# KiCad board Kebu.kicad_pcb
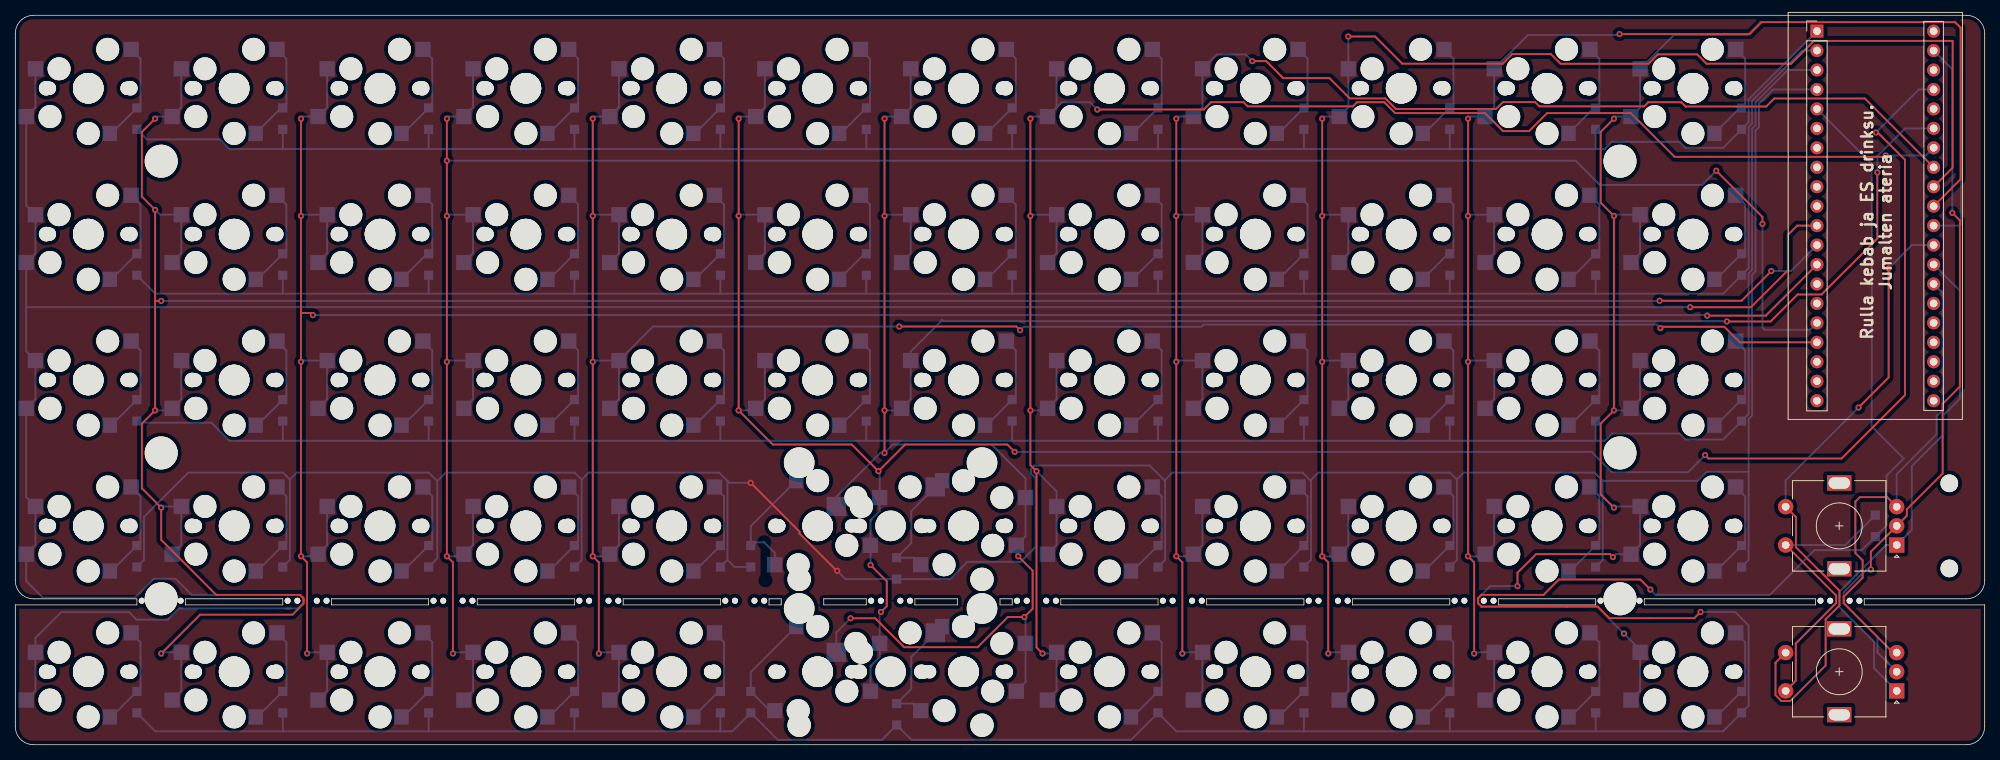
[diagram p0: board, top side]
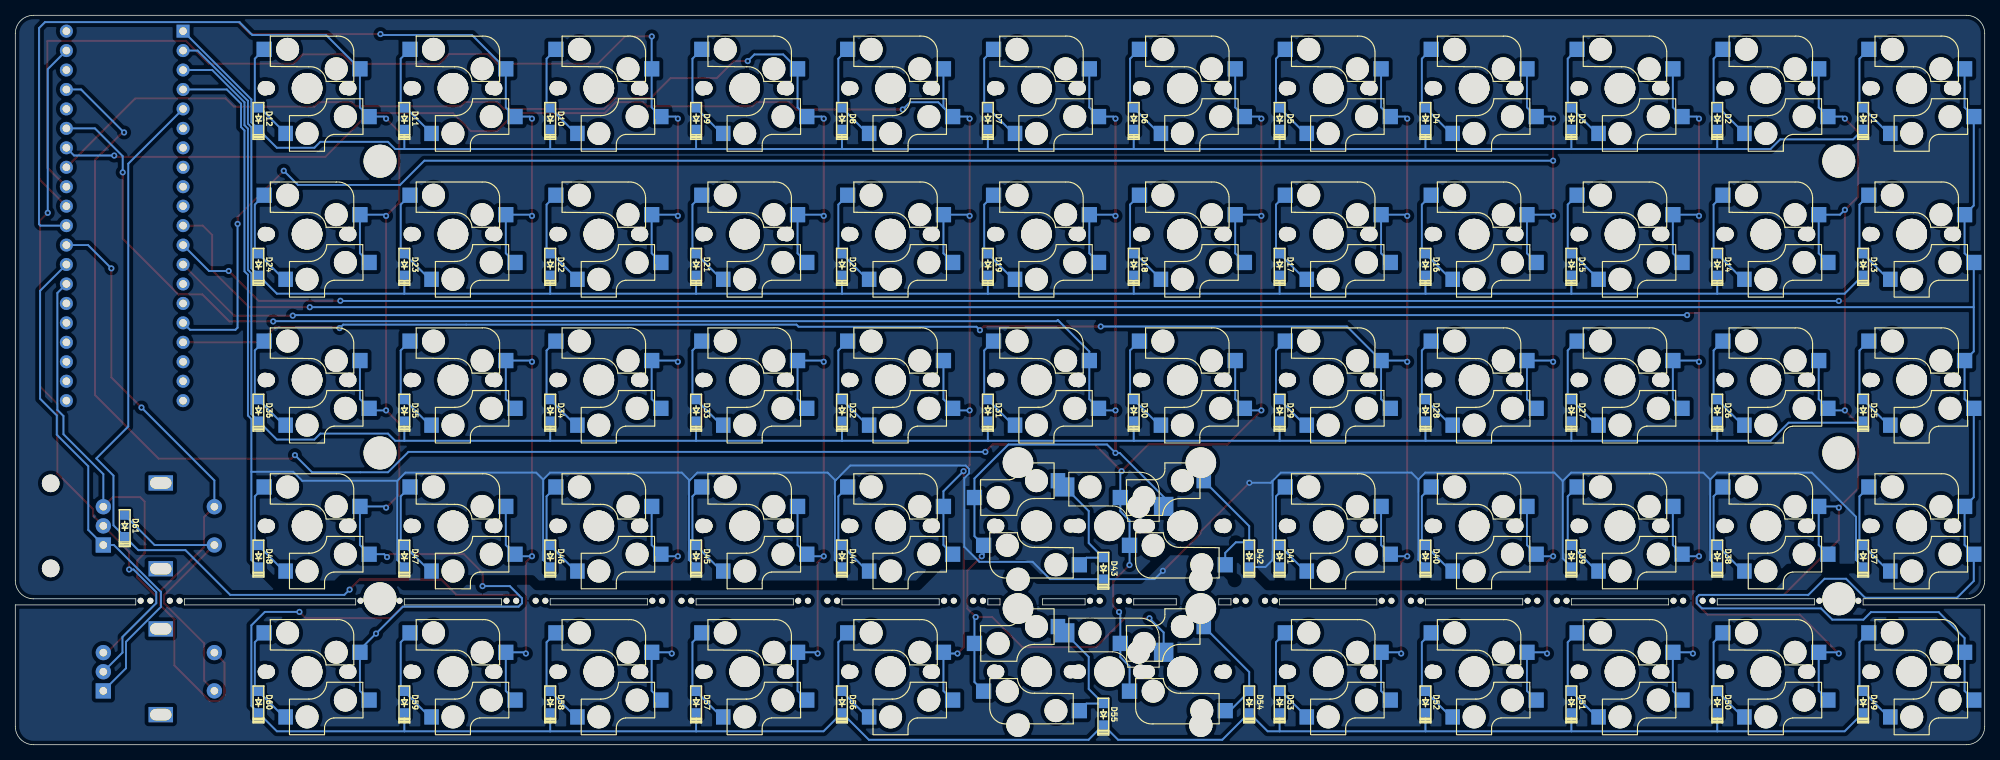
[diagram p1: board, bottom side, seen from below]

Outline 257.17 x 95.25 mm; copper layers: Top, Bottom. Coordinates in mm from the lower left corner of the outline.
Outline path: 0,92.87 arc(0.7,94.55) 2.38,95.25 254.79,95.25 arc(256.48,94.55) 257.17,92.87 257.17,21.43 arc(256.48,19.75) 254.79,19.05 241.44,19.05 241.44,18.26 257.17,18.26 257.17,2.38 arc(256.48,0.7) 254.79,0 2.38,0 arc(0.7,0.7) 0,2.38 0,18.26 15.88,18.26 15.88,19.05 2.38,19.05 arc(0.7,19.75) 0,21.43 0,92.87 ; 22.22,19.05 22.22,18.26 34.92,18.26 34.92,19.05 22.22,19.05 ; 41.27,19.05 41.27,18.26 53.97,18.26 53.97,19.05 41.27,19.05 ; 60.32,19.05 60.32,18.26 73.03,18.26 73.03,19.05 60.32,19.05 ; 79.38,19.05 79.38,18.26 92.07,18.26 92.07,19.05 79.38,19.05 ; 98.42,19.05 98.42,18.26 100.01,18.26 100.01,19.05 98.42,19.05 ; 105.57,18.26 105.57,19.05 111.12,19.05 111.12,18.26 105.57,18.26 ; 117.47,19.05 117.47,18.26 123.03,18.26 123.03,19.05 117.47,19.05 ; 128.59,18.26 128.59,19.05 130.17,19.05 130.17,18.26 128.59,18.26 ; 136.53,19.05 136.53,18.26 149.22,18.26 149.22,19.05 136.53,19.05 ; 155.57,19.05 155.57,18.26 168.28,18.26 168.28,19.05 155.57,19.05 ; 174.62,19.05 174.62,18.26 187.33,18.26 187.33,19.05 174.62,19.05 ; 193.67,19.05 193.67,18.26 206.37,18.26 206.37,19.05 193.67,19.05 ; 212.72,19.05 212.72,18.26 235.09,18.26 235.09,19.05 212.72,19.05

## Placement (name value [footprint] x y rotation side)
D1  D  [D_SOD123F]  15.88 81.76 90 bottom
D2  D  [D_SOD123F]  34.92 81.76 90 bottom
D3  D  [D_SOD123F]  53.97 81.76 90 bottom
D4  D  [D_SOD123F]  73.03 81.76 90 bottom
D5  D  [D_SOD123F]  92.07 81.76 90 bottom
D6  D  [D_SOD123F]  111.12 81.76 90 bottom
D7  D  [D_SOD123F]  130.17 81.76 90 bottom
D8  D  [D_SOD123F]  149.22 81.76 90 bottom
D9  D  [D_SOD123F]  168.28 81.76 90 bottom
D10  D  [D_SOD123F]  187.33 81.76 90 bottom
D11  D  [D_SOD123F]  206.37 81.76 90 bottom
D12  D  [D_SOD123F]  225.42 81.76 90 bottom
D13  D  [D_SOD123F]  15.88 62.71 90 bottom
D14  D  [D_SOD123F]  34.92 62.71 90 bottom
D15  D  [D_SOD123F]  53.97 62.71 90 bottom
D16  D  [D_SOD123F]  73.03 62.71 90 bottom
D17  D  [D_SOD123F]  92.07 62.71 90 bottom
D18  D  [D_SOD123F]  111.12 62.71 90 bottom
D19  D  [D_SOD123F]  130.17 62.71 90 bottom
D20  D  [D_SOD123F]  149.22 62.71 90 bottom
D21  D  [D_SOD123F]  168.28 62.71 90 bottom
D22  D  [D_SOD123F]  187.33 62.71 90 bottom
D23  D  [D_SOD123F]  206.37 62.71 90 bottom
D24  D  [D_SOD123F]  225.42 62.71 90 bottom
D25  D  [D_SOD123F]  15.88 43.66 90 bottom
D26  D  [D_SOD123F]  34.92 43.66 90 bottom
D27  D  [D_SOD123F]  53.97 43.66 90 bottom
D28  D  [D_SOD123F]  73.03 43.66 90 bottom
D29  D  [D_SOD123F]  92.07 43.66 90 bottom
D30  D  [D_SOD123F]  111.12 43.66 90 bottom
D31  D  [D_SOD123F]  130.17 43.66 90 bottom
D32  D  [D_SOD123F]  149.22 43.66 90 bottom
D33  D  [D_SOD123F]  168.28 43.66 90 bottom
D34  D  [D_SOD123F]  187.33 43.66 90 bottom
D35  D  [D_SOD123F]  206.37 43.66 90 bottom
D36  D  [D_SOD123F]  225.42 43.66 90 bottom
D37  D  [D_SOD123F]  15.88 24.61 90 bottom
D38  D  [D_SOD123F]  34.92 24.61 90 bottom
D39  D  [D_SOD123F]  53.97 24.61 90 bottom
D40  D  [D_SOD123F]  73.03 24.61 90 bottom
D41  D  [D_SOD123F]  92.07 24.61 90 bottom
D42  D  [D_SOD123F]  96.04 24.61 90 bottom
D43  D  [D_SOD123F]  115.09 23.02 90 bottom
D44  D  [D_SOD123F]  149.22 24.61 90 bottom
D45  D  [D_SOD123F]  168.28 24.61 90 bottom
D46  D  [D_SOD123F]  187.33 24.61 90 bottom
D47  D  [D_SOD123F]  206.37 24.61 90 bottom
D48  D  [D_SOD123F]  225.42 24.61 90 bottom
D49  D  [D_SOD123F]  15.88 5.56 90 bottom
D50  D  [D_SOD123F]  34.92 5.56 90 bottom
D51  D  [D_SOD123F]  53.97 5.56 90 bottom
D52  D  [D_SOD123F]  73.03 5.56 90 bottom
D53  D  [D_SOD123F]  92.07 5.56 90 bottom
D54  D  [D_SOD123F]  96.04 5.56 90 bottom
D55  D  [D_SOD123F]  115.09 3.97 90 bottom
D56  D  [D_SOD123F]  149.22 5.56 90 bottom
D57  D  [D_SOD123F]  168.28 5.56 90 bottom
D58  D  [D_SOD123F]  187.33 5.56 90 bottom
D59  D  [D_SOD123F]  206.37 5.56 90 bottom
D60  D  [D_SOD123F]  225.42 5.56 90 bottom
D61  D  [D_SOD123F]  242.89 28.57 90 bottom
NOREF  -  [unnamed]  209.55 76.2 0 top
NOREF#2  -  [unnamed]  19.05 38.1 0 top
NOREF#3  -  [unnamed]  19.05 19.05 0 top
NOREF#4  -  [unnamed]  209.55 38.1 0 top
NOREF#5  -  [unnamed]  209.55 19.05 0 top
REF**  -  [breakaway-mousebites]  114.3 19.05 180 top
REF**#2  -  [breakaway-mousebites]  95.25 19.05 180 top
REF**#3  -  [breakaway-mousebites]  38.1 19.05 180 top
REF**#4  -  [breakaway-mousebites]  209.55 19.05 180 top
REF**#5  -  [breakaway-mousebites]  152.4 19.05 180 top
REF**#6  -  [breakaway-mousebites]  133.35 19.05 180 top
REF**#7  -  [breakaway-mousebites]  19.05 19.05 180 top
REF**#8  -  [M2 Spacer]  19.05 76.2 0 top
REF**#9  -  [breakaway-mousebites]  171.45 19.05 180 top
REF**#10  -  [M2 Screw]  252.56 23.02 0 top
REF**#11  -  [breakaway-mousebites]  190.5 19.05 180 top
REF**#12  -  [M2 Screw]  252.56 34.13 0 top
REF**#13  -  [breakaway-mousebites]  57.15 19.05 180 top
REF**#14  -  [breakaway-mousebites]  76.2 19.05 180 top
REF**#15  -  [breakaway-mousebites]  238.27 19.05 180 top
SW1  SW_PUSH  [MXOnly-1U]  9.52 85.72 0 top
SW2  SW_PUSH  [MXOnly-1U]  28.57 85.72 0 top
SW3  SW_PUSH  [MXOnly-1U]  47.62 85.72 0 top
SW4  SW_PUSH  [MXOnly-1U]  66.67 85.72 0 top
SW5  SW_PUSH  [MXOnly-1U]  85.72 85.72 0 top
SW6  SW_PUSH  [MXOnly-1U]  104.78 85.72 0 top
SW7  SW_PUSH  [MXOnly-1U]  123.82 85.72 0 top
SW8  SW_PUSH  [MXOnly-1U]  142.88 85.72 0 top
SW9  SW_PUSH  [MXOnly-1U]  161.92 85.72 0 top
SW10  SW_PUSH  [MXOnly-1U]  180.97 85.72 0 top
SW11  SW_PUSH  [MXOnly-1U]  200.03 85.72 0 top
SW12  SW_PUSH  [MXOnly-1U]  219.08 85.72 0 top
SW13  SW_PUSH  [MXOnly-1U]  9.52 66.67 0 top
SW14  SW_PUSH  [MXOnly-1U]  28.57 66.67 0 top
SW15  SW_PUSH  [MXOnly-1U]  47.62 66.67 0 top
SW16  SW_PUSH  [MXOnly-1U]  66.67 66.67 0 top
SW17  SW_PUSH  [MXOnly-1U]  85.72 66.67 0 top
SW18  SW_PUSH  [MXOnly-1U]  104.78 66.67 0 top
SW19  SW_PUSH  [MXOnly-1U]  123.82 66.67 0 top
SW20  SW_PUSH  [MXOnly-1U]  142.88 66.67 0 top
SW21  SW_PUSH  [MXOnly-1U]  161.92 66.67 0 top
SW22  SW_PUSH  [MXOnly-1U]  180.97 66.67 0 top
SW23  SW_PUSH  [MXOnly-1U]  200.03 66.67 0 top
SW24  SW_PUSH  [MXOnly-1U]  219.08 66.67 0 top
SW25  SW_PUSH  [MXOnly-1U]  9.52 47.62 0 top
SW26  SW_PUSH  [MXOnly-1U]  28.57 47.62 0 top
SW27  SW_PUSH  [MXOnly-1U]  47.62 47.62 0 top
SW28  SW_PUSH  [MXOnly-1U]  66.67 47.62 0 top
SW29  SW_PUSH  [MXOnly-1U]  85.72 47.62 0 top
SW30  SW_PUSH  [MXOnly-1U]  104.78 47.62 0 top
SW31  SW_PUSH  [MXOnly-1U]  123.82 47.62 0 top
SW32  SW_PUSH  [MXOnly-1U]  142.88 47.62 0 top
SW33  SW_PUSH  [MXOnly-1U]  161.92 47.62 0 top
SW34  SW_PUSH  [MXOnly-1U]  180.97 47.62 0 top
SW35  SW_PUSH  [MXOnly-1U]  200.03 47.62 0 top
SW36  SW_PUSH  [MXOnly-1U]  219.08 47.62 0 top
SW37  SW_PUSH  [MXOnly-1U]  9.52 28.57 0 top
SW38  SW_PUSH  [MXOnly-1U]  28.57 28.57 0 top
SW39  SW_PUSH  [MXOnly-1U]  47.62 28.57 0 top
SW40  SW_PUSH  [MXOnly-1U]  66.67 28.57 0 top
SW41  SW_PUSH  [MXOnly-1U]  85.72 28.57 0 top
SW42  SW_PUSH  [MXOnly-1U]  104.78 28.57 180 top
SW44  SW_PUSH  [MXOnly-1U]  142.88 28.57 0 top
SW45  SW_PUSH  [MXOnly-1U]  161.92 28.57 0 top
SW46  SW_PUSH  [MXOnly-1U]  180.97 28.57 0 top
SW47  SW_PUSH  [MXOnly-1U]  200.03 28.57 0 top
SW48  SW_PUSH  [MXOnly-1U]  219.08 28.57 0 top
SW49  SW_PUSH  [MXOnly-1U]  9.52 9.53 0 top
SW50  SW_PUSH  [MXOnly-1U]  28.57 9.53 0 top
SW51  SW_PUSH  [MXOnly-1U]  47.62 9.53 0 top
SW52  SW_PUSH  [MXOnly-1U]  66.67 9.53 0 top
SW53  SW_PUSH  [MXOnly-1U]  85.72 9.53 0 top
SW54  SW_PUSH  [MXOnly-1U]  104.78 9.53 180 top
SW56  SW_PUSH  [MXOnly-1U]  142.88 9.53 0 top
SW57  SW_PUSH  [MXOnly-1U]  161.92 9.53 0 top
SW58  SW_PUSH  [MXOnly-1U]  180.97 9.53 0 top
SW59  SW_PUSH  [MXOnly-1U]  200.03 9.53 0 top
SW60  SW_PUSH  [MXOnly-1U]  219.08 9.53 0 top
SWA43  SW_PUSH  [MXOnly-1U]  123.82 28.57 180 top
SWA55  SW_PUSH  [MXOnly-1U]  123.82 9.53 180 top
SWA61  Rotary_Encoder_Switch  [RotaryEncoder_EC11]  238.18 28.57 180 top
SWB43  SW_PUSH  [MXOnly-2U-Hotswap-ReversedStabilizers]  114.3 28.57 0 top
SWB55  SW_PUSH  [MXOnly-2U-Hotswap-ReversedStabilizers]  114.3 9.53 0 top
SWB61  Rotary_Encoder_Switch  [RotaryEncoder_EC11]  238.18 9.53 180 top
U1  YAAJ_WeAct_BlackPill_Part_Like  [YAAJ_WeAct_BlackPill_2]  235.27 93.19 0 top

## Footprints (pads in the part's own frame, mm; a bottom-side part is the same pattern mirrored in y, then rotated)
breakaway-mousebites
  round 0.787 hole 0.787 unplated: (-2.54,0.254) (-1.27,0.254) (1.27,0.254) (2.54,0.254)
D_SOD123F
  rect 1.2x1.2 smd: 1(-1.4,0) 2(1.4,0)
M2 Screw
  round 2.3 hole 2.3 unplated: (0,0)
M2 Spacer
  round 4.3 hole 4.3 unplated: (0,0)
MXOnly-1U
  round 1.9 hole 1.9 unplated: (-5.5,0) (5.5,0)
  round 1.7 hole 1.7 unplated: (-5.08,0) (5.08,0)
  round 1.75 hole 1.75 unplated: (-5.08,0) (5.08,0)
  round 3 hole 3 unplated: (-5,-3.7) (-3.81,2.54) (0,-5.9) (2.54,5.08)
  round 3.988 hole 3.988 unplated: (0,0) (0,0)
  rect 2x2 smd far side: 1(-8.1,-3.7) 1(-6.9,2.54) 2(5.6,5.08)
  rect 1.9x2 smd far side: 2(2.8,-5.9)
MXOnly-2U-Hotswap-ReversedStabilizers
  round 3.988 hole 3.988 unplated: (-11.938,8.255) (0,0) (11.938,8.255)
  round 3.048 hole 3.048 unplated: (-11.938,-6.985) (11.938,-6.985)
  round 1.75 hole 1.75 unplated: (-5.08,0) (5.08,0)
  round 3 hole 3 unplated: (-3.81,2.54) (2.54,5.08)
  rect 2.55x2.5 smd far side: 1(-7.085,2.54) 2(5.842,5.08)
RotaryEncoder_EC11
  rect 3.2x2 hole 2.8x1.5 unplated: (0,5.6) (0,-5.6)
  rect 2x2 hole 1: A(-7.5,2.5)
  round 2 hole 1: B(-7.5,-2.5) C(-7.5,0) S1(7,-2.5) S2(7,2.5)
unnamed
  round 4.3 hole 4.3 unplated: (0,0)
YAAJ_WeAct_BlackPill_2
  rect 1.7x1.7 hole 1: 1(0,0)
  round 1.7 hole 1: 2(0,-2.54) 3(0,-5.08) 4(0,-7.62) 5(0,-10.16) 6(0,-12.7) 7(0,-15.24) 8(0,-17.78) 9(0,-20.32) 10(0,-22.86) 11(0,-25.4) 12(0,-27.94) 13(0,-30.48) 14(0,-33.02) 15(0,-35.56) 16(0,-38.1) 17(0,-40.64) 18(0,-43.18) 19(0,-45.72) 20(0,-48.26) 21(15.24,-48.26) 22(15.24,-45.72) 23(15.24,-43.18) 24(15.24,-40.64) 25(15.24,-38.1) 26(15.24,-35.56) 27(15.24,-33.02) 28(15.24,-30.48) 29(15.24,-27.94) 30(15.24,-25.4) 31(15.24,-22.86) 32(15.24,-20.32) 33(15.24,-17.78) 34(15.24,-15.24) 35(15.24,-12.7) 36(15.24,-10.16) 37(15.24,-7.62) 38(15.24,-5.08) 39(15.24,-2.54) 40(15.24,0)

## Nets
GND: SWA61.C SWB61.C U1.39
Col0: SW1.1 SW13.1 SW25.1 SW37.1 SW49.1 U1.11
Col1: SW2.1 SW14.1 SW26.1 SW38.1 SW50.1 U1.12
Col2: SW3.1 SW15.1 SW27.1 SW39.1 SW51.1 U1.13
Col3: SW4.1 SW16.1 SW28.1 SW40.1 SW52.1 U1.16
Col4: SW5.1 SW17.1 SW29.1 SW41.1 SW53.1 U1.17
Col5: SW6.1 SW18.1 SW30.1 SW42.1 SW54.1 U1.37
Col6: SW7.1 SW19.1 SW31.1 SWA43.1 SWA55.1 SWB43.1 SWB55.1 U1.35
Col7: SW8.1 SW20.1 SW32.1 SW44.1 SW56.1 U1.34
Col8: SW9.1 SW21.1 SW33.1 SW45.1 SW57.1 U1.33
Col9: SW10.1 SW22.1 SW34.1 SW46.1 SW58.1 U1.32
Col10: SW11.1 SW23.1 SW35.1 SW47.1 SW59.1 U1.31
Col11: SW12.1 SW24.1 SW36.1 SW48.1 SW60.1 U1.30
Col12: SWA61.S1 SWB61.S1 U1.29
RotA: SWA61.A SWB61.A U1.28
RotB: SWA61.B SWB61.B U1.27
Row0: D1.1 D2.1 D3.1 D4.1 D5.1 D6.1 D7.1 D8.1 D9.1 D10.1 D11.1 D12.1 U1.1
Row1: D13.1 D14.1 D15.1 D16.1 D17.1 D18.1 D19.1 D20.1 D21.1 D22.1 D23.1 D24.1 U1.2
Row2: D25.1 D26.1 D27.1 D28.1 D29.1 D30.1 D31.1 D32.1 D33.1 D34.1 D35.1 D36.1 U1.3
Row3: D37.1 D38.1 D39.1 D40.1 D41.1 D42.1 D43.1 D44.1 D45.1 D46.1 D47.1 D48.1 U1.4
Row4: D49.1 D50.1 D51.1 D52.1 D53.1 D54.1 D55.1 D56.1 D57.1 D58.1 D59.1 D60.1 D61.1 U1.5
Net-(D1-Pad2): D1.2 SW1.2
Net-(D2-Pad2): D2.2 SW2.2
Net-(D3-Pad2): D3.2 SW3.2
Net-(D4-Pad2): D4.2 SW4.2
Net-(D5-Pad2): D5.2 SW5.2
Net-(D6-Pad2): D6.2 SW6.2
Net-(D7-Pad2): D7.2 SW7.2
Net-(D8-Pad2): D8.2 SW8.2
Net-(D9-Pad2): D9.2 SW9.2
Net-(D10-Pad2): D10.2 SW10.2
Net-(D11-Pad2): D11.2 SW11.2
Net-(D12-Pad2): D12.2 SW12.2
Net-(D13-Pad2): D13.2 SW13.2
Net-(D14-Pad2): D14.2 SW14.2
Net-(D15-Pad2): D15.2 SW15.2
Net-(D16-Pad2): D16.2 SW16.2
Net-(D17-Pad2): D17.2 SW17.2
Net-(D18-Pad2): D18.2 SW18.2
Net-(D19-Pad2): D19.2 SW19.2
Net-(D20-Pad2): D20.2 SW20.2
Net-(D21-Pad2): D21.2 SW21.2
Net-(D22-Pad2): D22.2 SW22.2
Net-(D23-Pad2): D23.2 SW23.2
Net-(D24-Pad2): D24.2 SW24.2
Net-(D25-Pad2): D25.2 SW25.2
Net-(D26-Pad2): D26.2 SW26.2
Net-(D27-Pad2): D27.2 SW27.2
Net-(D28-Pad2): D28.2 SW28.2
Net-(D29-Pad2): D29.2 SW29.2
Net-(D30-Pad2): D30.2 SW30.2
Net-(D31-Pad2): D31.2 SW31.2
Net-(D32-Pad2): D32.2 SW32.2
Net-(D33-Pad2): D33.2 SW33.2
Net-(D34-Pad2): D34.2 SW34.2
Net-(D35-Pad2): D35.2 SW35.2
Net-(D36-Pad2): D36.2 SW36.2
Net-(D37-Pad2): D37.2 SW37.2
Net-(D38-Pad2): D38.2 SW38.2
Net-(D39-Pad2): D39.2 SW39.2
Net-(D40-Pad2): D40.2 SW40.2
Net-(D41-Pad2): D41.2 SW41.2
Net-(D42-Pad2): D42.2 SW42.2
Net-(D43-Pad2): D43.2 SWA43.2 SWB43.2
Net-(D44-Pad2): D44.2 SW44.2
Net-(D45-Pad2): D45.2 SW45.2
Net-(D46-Pad2): D46.2 SW46.2
Net-(D47-Pad2): D47.2 SW47.2
Net-(D48-Pad2): D48.2 SW48.2
Net-(D49-Pad2): D49.2 SW49.2
Net-(D50-Pad2): D50.2 SW50.2
Net-(D51-Pad2): D51.2 SW51.2
Net-(D52-Pad2): D52.2 SW52.2
Net-(D53-Pad2): D53.2 SW53.2
Net-(D54-Pad2): D54.2 SW54.2
Net-(D55-Pad2): D55.2 SWA55.2 SWB55.2
Net-(D56-Pad2): D56.2 SW56.2
Net-(D57-Pad2): D57.2 SW57.2
Net-(D58-Pad2): D58.2 SW58.2
Net-(D59-Pad2): D59.2 SW59.2
Net-(D60-Pad2): D60.2 SW60.2
Net-(D61-Pad2): D61.2 SWA61.S2 SWB61.S2

Pads without a net: U1 6 7 8 9 10 14 15 18 19 20 21 22 23 24 25 26 36 38 40

## Via types
v1: diameter 0.8, hole 0.4, Top to Bottom, 90 vias

## Routing (per net, layer and track width the routed paths; a pad name or vN(x,y) marks a point on that pad's centre or on a via; arc(x,y) is an arc through that point)
GND: length 92
  Top w0.25: v1(242.31,22.88) 242.31,25.21 SWA61.C 247.01,29.9 247.01,30.74 251.68,35.41 251.68,44.51 253.94,46.77 253.94,68.46 v1(252.94,69.46)
  Bottom w0.25: SWB61.C 243.18,12.03 243.18,14.07 238.77,18.48 238.77,19.92 241.73,22.88 v1(242.31,22.88) ; v1(252.94,69.46) 252.94,88.21 U1.39
Col0: length 397.5
  Top w0.25: U1.11 232.69,67.79 231.47,66.57 231.47,61.95 226.65,57.13 v1(218.72,57.13)
  Bottom w0.25: v1(218.72,57.13) 218.72,57.13 1.42,57.13 ; 1.42,57.13 SW13.1 2.62,64.17 SW13.1 1.42,70.42 SW1.1 2.62,83.22 SW1.1 ; 1.42,57.13 1.42,51.36 SW25.1 2.62,45.12 SW25.1 1.42,32.31 SW37.1 2.62,26.07 SW37.1 1.42,21.38 3.62,19.18 15.61,19.18 18.1,21.67 20.91,21.67 23.05,19.53 23.09,19.56 37.29,19.56 37.6,19.25 37.6,18.48 36.92,17.8 21.37,17.8 19.9,16.33 15.83,16.33 14.85,17.31 6,17.31 2.62,13.93 SW49.1 2.62,7.03 SW49.1
Col1: length 369.4
  Top w0.25: 18.26,57.95 19.05,57.95 v1(19.05,57.95) ; 18.26,57.95 v1(18.26,69.85) 16.53,71.58 16.53,80.03 v1(18.26,81.76) ; 18.26,57.95 v1(18.26,43.66) 16.53,41.93 16.53,33.48 v1(19.05,30.96) 19.05,26.75 26.23,19.56 37.15,19.56 37.65,19.06 37.65,18.44 36.19,16.98 24.12,16.98 v1(19.05,11.91) ; v1(214.72,57.97) 225.42,57.97 v1(229.31,61.86)
  Bottom w0.25: v1(18.26,43.66) 20.21,43.66 SW26.1 21.67,45.12 SW26.1 ; SW2.1 21.67,83.22 SW2.1 18.52,82.03 v1(18.26,81.76) ; v1(19.05,57.95) 214.7,57.95 v1(214.72,57.97) ; SW38.1 21.67,26.07 SW38.1 19.21,31.12 v1(19.05,30.96) ; v1(19.05,11.91) 19.21,12.06 SW50.1 21.67,7.03 SW50.1 ; v1(18.26,69.85) 18.89,69.22 SW14.1 21.67,64.17 SW14.1 ; U1.12 231.88,61.86 v1(229.31,61.86)
Col2: length 319.1
  Top w0.25: 37.31,56.38 v1(37.31,69.06) v1(37.31,81.76) ; 37.31,56.38 38.59,56.38 v1(38.86,56.1) ; 37.31,56.38 v1(37.31,50.01) v1(37.31,24.61) 38.1,23.81 v1(38.1,11.91) ; v1(220.94,56.03) 228.59,56.03 U1.13
  Bottom w0.25: v1(37.31,50.01) 37.46,50.17 SW27.1 40.72,45.12 SW27.1 ; SW15.1 40.72,64.17 SW15.1 37.46,69.22 v1(37.31,69.06) ; SW51.1 40.72,7.03 SW51.1 38.26,12.06 v1(38.1,11.91) ; v1(37.31,24.61) 39.26,24.61 SW39.1 40.72,26.07 SW39.1 ; v1(38.86,56.1) 220.87,56.1 v1(220.94,56.03) ; SW3.1 40.72,83.22 SW3.1 37.57,82.03 v1(37.31,81.76)
Col3: length 316.6
  Top w0.25: v1(222.12,74.95) 228.15,68.92 v1(228.15,68.01) ; v1(56.36,81.76) v1(56.36,69.06) v1(56.36,50.01) v1(56.36,24.61) 57.15,23.81 v1(57.15,11.91)
  Bottom w0.25: v1(56.36,76.27) 203.76,76.27 206.93,73.1 220.27,73.1 v1(222.12,74.95) ; U1.16 234.36,54.18 228.43,54.18 228.15,54.46 v1(228.15,68.01) ; SW4.1 59.78,83.22 SW4.1 56.62,82.03 v1(56.36,81.76) ; SW40.1 59.78,26.07 SW40.1 58.31,24.61 v1(56.36,24.61) ; v1(56.36,50.01) 56.51,50.17 SW28.1 59.78,45.12 SW28.1 ; SW16.1 59.78,64.17 SW16.1 56.51,69.22 v1(56.36,69.06) ; SW52.1 59.78,7.03 SW52.1 57.31,12.06 v1(57.15,11.91)
Col4: length 278.1
  Top w0.25: U1.17 225.2,52.55 223.17,54.58 215,54.58 v1(214.82,54.4) ; v1(76.2,11.91) 76.2,23.81 v1(75.41,24.61) v1(75.41,50.01) v1(75.41,69.06) v1(75.41,81.76) ; v1(115.43,54.61) 130.73,54.61 v1(131.21,54.13)
  Bottom w0.25: v1(75.41,69.06) 75.56,69.22 SW17.1 78.82,64.17 SW17.1 ; v1(131.21,54.13) 131.66,54.58 154.89,54.58 155.17,54.86 214.37,54.86 v1(214.82,54.4) ; v1(115.43,54.61) 83.27,54.61 SW29.1 ; v1(76.2,11.91) 76.36,12.06 SW53.1 78.82,7.03 SW53.1 ; v1(75.41,50.01) 75.56,50.17 SW29.1 ; SW5.1 78.82,83.22 SW5.1 75.67,82.03 v1(75.41,81.76) ; SW29.1 78.82,45.12 SW29.1 ; SW41.1 78.82,26.07 SW41.1 77.36,24.61 v1(75.41,24.61)
Col5: length 306.5
  Top w0.25: v1(94.46,81.76) v1(94.46,69.06) v1(94.46,43.66) 98.91,39.2 109.23,39.2 v1(112.71,35.72) 116.19,39.2 129.54,39.2 v1(130.5,38.24) ; v1(111.68,23.46) 113.8,21.34 113.8,18.09 v1(113.04,17.33) ; v1(220.66,37.81) 221.1,37.37 238.48,37.37 246.77,45.66 246.77,76.39 243.21,79.95 v1(242.97,79.95)
  Bottom w0.25: v1(94.46,43.66) 96.41,43.66 SW30.1 97.88,45.12 SW30.1 ; U1.37 248.59,85.57 v1(242.97,79.95) ; SW18.1 97.88,64.17 SW18.1 94.61,69.22 v1(94.46,69.06) ; v1(220.66,37.81) 218.43,35.58 208.5,35.58 205.84,38.24 v1(130.5,38.24) ; v1(94.46,81.76) 94.72,82.03 SW6.1 97.88,83.22 SW6.1 ; v1(111.68,23.46) 111.67,23.47 SW42.1 111.67,29.3 112.88,30.5 SW42.1 112.88,35.56 v1(112.71,35.72) ; v1(113.04,17.33) 112.88,17.16 SW54.1 112.88,11.45 111.67,10.25 SW54.1
Col6: length 317.2
  Top w0.25: v1(113.51,38.1) v1(113.51,43.66) v1(113.51,69.06) v1(113.51,81.76) ; v1(243.15,74.74) 243.15,66.09 235.86,58.8 232.75,58.8 229.22,55.27 v1(223.5,55.27) ; v1(109.07,16.51) 112.28,16.51 116.06,12.73 125.66,12.73 129.6,16.67 v1(131.76,16.67) 132.85,17.75 132.85,22.73 v1(130.97,24.61)
  Bottom w0.25: SWB43.1 107.22,32.37 112.95,38.1 v1(113.51,38.1) 114.6,39.2 127.49,39.2 131.92,34.76 SWA43.1 131.92,27.24 SWA43.1 130.72,24.85 v1(130.97,24.61) ; v1(113.51,43.66) 115.46,43.66 SW31.1 116.92,45.12 SW31.1 116.92,51.34 121.04,55.46 121.2,55.31 223.47,55.31 v1(223.5,55.27) ; v1(113.51,81.76) 113.78,82.03 SW7.1 116.92,83.22 SW7.1 ; SW19.1 116.92,64.17 SW19.1 113.66,69.22 v1(113.51,69.06) ; v1(131.76,16.67) 131.92,16.51 SWA55.1 131.92,8.19 SWA55.1 ; U1.35 246.78,80.49 243.15,76.85 v1(243.15,74.74) ; SWB55.1 107.22,14.65 v1(109.07,16.51)
Col7: length 243.1
  Top w0.25: v1(244.26,76.94) 244.09,76.77 216.68,76.77 210.97,82.48 200.03,82.48 197.68,80.13 194.27,80.13 191.92,82.48 180.19,82.48 178.77,83.9 175.2,83.9 174.66,83.36 160.94,83.36 160.4,83.9 156.15,83.9 155.2,82.95 v1(141.29,82.95) ; v1(134.14,11.91) 133.35,12.7 v1(133.35,35.72) 132.56,36.51 v1(132.56,43.66) v1(132.56,69.06) v1(132.56,81.76)
  Bottom w0.25: SW8.1 135.97,83.22 SW8.1 ; SW44.1 135.97,26.07 SW44.1 135.97,33.09 v1(133.35,35.72) ; U1.34 249.5,76.94 v1(244.26,76.94) ; v1(132.56,43.66) 134.51,43.66 SW32.1 135.97,45.12 SW32.1 ; SW56.1 135.97,7.03 SW56.1 135.82,11.91 v1(134.14,11.91) ; v1(141.29,82.95) 140.34,83.9 136.65,83.9 SW8.1 ; SW8.1 132.82,82.03 v1(132.56,81.76) ; v1(132.56,69.06) 132.72,69.22 SW20.1 135.97,64.17 SW20.1
Col8: length 222.6
  Top w0.25: v1(161.53,89.27) 163.35,89.27 165.57,87.05 171.61,87.05 174.26,84.4 178.91,84.4 180.29,83.02 193.37,83.02 194.27,83.92 198.46,83.92 199.02,83.36 212.7,83.36 213.24,83.9 217.56,83.9 218.13,83.33 228.64,83.33 229.7,84.39 241.52,84.39 U1.33 ; v1(152.4,11.91) 152.4,23.81 v1(151.61,24.61) v1(151.61,50.01) v1(151.61,69.06) v1(151.61,81.76)
  Bottom w0.25: v1(161.53,89.27) 160.66,90.14 156.9,90.14 SW9.1 155.03,83.22 SW9.1 151.88,82.03 v1(151.61,81.76) ; v1(152.4,11.91) 152.56,12.06 SW57.1 155.03,7.03 SW57.1 ; v1(151.61,69.06) 151.76,69.22 SW21.1 155.03,64.17 SW21.1 ; v1(151.61,24.61) 153.56,24.61 SW45.1 155.03,26.07 SW45.1 ; SW33.1 155.03,45.12 SW33.1 151.76,50.17 v1(151.61,50.01)
Col9: length 226.2
  Top w0.25: U1.32 252.99,75.35 252.99,91.87 252.95,91.91 234.87,91.91 231.89,88.93 220.84,88.93 219.62,90.15 214.5,90.15 213.27,88.92 201.8,88.92 200.53,90.19 195.48,90.19 194.22,88.93 181.12,88.93 177.56,92.49 v1(174.06,92.49) ; v1(170.66,81.76) v1(170.66,69.06) v1(170.66,50.01) v1(170.66,24.61) 171.45,23.81 v1(171.45,11.91)
  Bottom w0.25: v1(170.66,50.01) 170.81,50.17 SW34.1 174.08,45.12 SW34.1 ; v1(170.66,81.76) 170.92,82.03 SW10.1 174.08,83.22 SW10.1 174.08,92.48 v1(174.06,92.49) ; v1(170.66,24.61) 172.61,24.61 SW46.1 174.08,26.07 SW46.1 ; SW58.1 174.08,7.03 SW58.1 171.61,12.06 v1(171.45,11.91) ; v1(170.66,69.06) 170.81,69.22 SW22.1 174.08,64.17 SW22.1
Col10: length 206.7
  Top w0.25: v1(190.5,11.91) 190.5,23.81 v1(189.71,24.61) v1(189.71,50.01) v1(189.71,69.06) v1(189.71,81.76) ; v1(209.49,92.8) 226.49,92.8 228.05,94.36 253.29,94.36 254.03,93.62 254.03,73.85 U1.31
  Bottom w0.25: v1(189.71,81.76) 189.97,82.03 SW11.1 193.12,83.22 SW11.1 197.54,92.68 209.37,92.68 v1(209.49,92.8) ; v1(189.71,50.01) 189.86,50.17 SW35.1 193.12,45.12 SW35.1 ; v1(189.71,69.06) 189.86,69.22 SW23.1 193.12,64.17 SW23.1 ; v1(189.71,24.61) 191.66,24.61 SW47.1 193.12,26.07 SW47.1 ; SW59.1 193.12,7.03 SW59.1 190.66,12.06 v1(190.5,11.91)
Col11: length 221.4
  Top w0.25: v1(208.76,81.76) 207.03,80.03 207.03,70.79 v1(208.76,69.06) v1(208.76,43.66) 207.03,41.93 207.03,32.69 v1(208.76,30.96) ; v1(208.63,24.5) 208.24,24.89 198.6,24.89 196.16,22.45 v1(196.16,20.71) ; 210.05,14.53 v1(210.07,14.51)
  Bottom w0.25: v1(208.76,30.96) 208.91,31.12 SW48.1 212.17,26.07 SW48.1 209.01,24.88 v1(208.63,24.5) ; v1(208.76,69.06) 208.91,69.22 SW24.1 212.17,64.17 SW24.1 ; v1(196.16,20.71) 192.6,20.71 191,19.11 191,18.48 191.45,18.03 206.55,18.03 v1(210.07,14.51) 212.17,12.41 SW60.1 212.17,7.03 SW60.1 ; v1(208.76,81.76) 209.03,82.03 SW12.1 212.17,83.22 SW12.1 216.59,92.68 226.22,92.68 227.9,94.36 253.3,94.36 254.08,93.58 254.08,67.97 253.9,67.79 U1.30 ; v1(208.76,43.66) 210.71,43.66 SW36.1 212.17,45.12 SW36.1
Col12: length 83.1
  Top w0.25: SWA61.S1 232.52,29.73 232.52,25.78 238.22,20.09 238.22,18.18 236.4,16.37 236.4,10.34 231.76,5.7 230.63,5.7 229.86,6.48 229.86,10.7 SWB61.S1 ; v1(244.63,62.2) 244.63,47.96 v1(240.7,44.03)
  Bottom w0.25: U1.29 247.68,65.25 v1(244.63,62.2) ; SWA61.S1 231.18,34.51 v1(240.7,44.03)
RotA: length 67.6
  Bottom w0.25: U1.28 253.94,59.28 253.94,45.18 251.76,43.01 251.76,40.48 247.65,36.37 247.65,28.04 SWA61.A 244.29,26.07 238.15,19.93 238.15,18 242.72,13.43 242.72,9.98 SWB61.A
RotB: length 62.5
  Top w0.25: SWA61.B 244.43,32.33 240.87,32.33 240.29,31.75 240.29,25.02 241.23,24.08 241.23,21.8 238.77,19.34 238.77,18.47 245.22,12.03 SWB61.B
  Bottom w0.25: SWA61.B 245.68,35.34 250.89,40.54 250.89,42.93 251.68,43.72 251.68,58.99 U1.27
Row0: length 254.9
  Bottom w0.25: D5.1 92.07,77.79 ; 92.07,77.79 111.12,77.79 ; 92.07,77.79 73.03,77.79 ; 168.28,77.79 187.33,77.79 ; 168.28,77.79 D9.1 ; 168.28,77.79 149.22,77.79 ; 187.33,77.79 D10.1 ; 187.33,77.79 206.37,77.79 ; D11.1 206.37,77.79 ; 206.37,77.79 207.57,77.79 208.5,78.72 217.34,78.72 218.12,77.95 223.02,77.95 D12.1 226.35,81.28 226.35,84.27 U1.1 ; 149.22,77.79 130.17,77.79 ; 149.22,77.79 D8.1 ; D1.1 17.18,79.05 26.7,79.05 27.96,77.79 34.92,77.79 ; D3.1 53.97,77.79 ; 53.97,77.79 73.03,77.79 ; 53.97,77.79 34.92,77.79 ; D6.1 111.12,77.79 ; 111.12,77.79 130.17,77.79 ; 130.17,77.79 D7.1 ; D2.1 34.92,77.79 ; D4.1 73.03,77.79
Row1: length 270.2
  Bottom w0.25: 111.13,58.9 130.16,58.9 ; 111.13,58.9 92.08,58.9 ; 111.13,58.9 111.12,58.91 D18.1 ; 130.16,58.9 130.17,58.91 D19.1 ; 130.16,58.9 149.21,58.9 ; 187.33,58.9 187.33,58.91 D22.1 ; 187.33,58.9 206.38,58.9 ; 187.33,58.9 168.26,58.9 ; 34.92,58.9 18.28,58.9 D13.1 ; 34.92,58.9 53.96,58.9 ; 34.92,58.9 34.92,58.9 D14.1 ; 206.38,58.9 223.02,58.9 D24.1 226.35,62.23 226.35,80.65 226.8,81.09 226.8,84.08 233.36,90.65 U1.2 ; 206.38,58.9 206.37,58.91 D23.1 ; 92.08,58.9 73.01,58.9 ; 92.08,58.9 92.07,58.91 D17.1 ; 53.96,58.9 53.97,58.91 D15.1 ; 53.96,58.9 73.01,58.9 ; 168.26,58.9 168.28,58.91 D21.1 ; 168.26,58.9 149.21,58.9 ; 73.01,58.9 73.03,58.91 D16.1 ; D20.1 149.22,58.91 149.21,58.9
Row2: length 290.2
  Bottom w0.25: 34.95,39.69 53.99,39.69 ; 34.95,39.69 34.92,39.71 D26.1 ; 34.95,39.69 27.96,39.69 25.6,42.05 16.08,42.05 D25.1 ; 53.99,39.69 73,39.69 ; 53.99,39.69 53.97,39.7 D27.1 ; 73,39.69 92.07,39.69 ; 73,39.69 73.03,39.71 D28.1 ; 92.07,39.69 92.07,39.69 D29.1 ; 92.07,39.69 111.12,39.69 ; 149.21,39.69 168.28,39.69 ; 149.21,39.69 130.15,39.69 ; 149.21,39.69 149.22,39.7 D32.1 ; 168.28,39.69 187.31,39.69 ; 168.28,39.69 168.28,39.69 D33.1 ; D30.1 111.12,39.69 111.12,39.69 ; U1.3 231.46,88.11 227.25,83.9 227.25,80.9 226.8,80.45 226.8,62.01 226.35,61.56 226.35,43.18 D36.1 223.02,39.85 218.12,39.85 217.34,40.62 208.5,40.62 207.57,39.69 206.37,39.69 ; 130.15,39.69 111.12,39.69 ; 130.15,39.69 130.17,39.71 D31.1 ; 206.37,39.69 187.31,39.69 ; 206.37,39.69 206.37,39.69 D35.1 ; 187.31,39.69 187.33,39.7 D34.1
Row3: length 411.2
  Top w0.25: v1(107.32,22.71) 107.27,22.71 102.41,27.57 102.41,27.81 v1(96.02,34.2)
  Bottom w0.25: D44.1 150.15,24.13 150.15,34.44 150.08,34.51 ; 55.1,34.43 54,35.53 36.75,35.53 35.85,34.63 ; 55.1,34.43 56.21,35.53 73.05,35.53 73.95,34.63 ; 55.1,34.43 55.1,24.33 D39.1 ; 93,24.13 93.92,23.21 D42.1 ; 93,24.13 D41.1 ; 93,24.13 93,34.44 ; 169.13,34.51 168.11,35.53 151.09,35.53 150.08,34.51 ; 169.13,34.51 170.14,35.53 187.35,35.53 188.25,34.63 ; 169.13,34.51 169.2,34.44 169.2,24.13 D45.1 ; 16.08,23 D37.1 16.8,24.13 16.8,29.76 22.57,35.53 34.95,35.53 35.85,34.63 ; D38.1 35.85,24.13 35.85,34.63 ; D46.1 188.25,24.13 188.25,34.63 ; 93,34.44 91.91,35.53 74.86,35.53 73.95,34.63 ; 93,34.44 93.24,34.2 v1(96.02,34.2) ; 188.25,34.63 189.15,35.53 206.23,35.53 207.3,34.46 ; 73.95,34.63 73.95,24.13 D40.1 ; D47.1 207.3,24.13 207.3,34.46 ; 150.08,34.51 148.13,36.46 133.07,36.46 132.61,36.01 132.61,35.43 133.25,34.79 133.25,25.85 131.29,23.88 124.32,23.88 122.06,21.62 D43.1 108.41,21.62 v1(107.32,22.71) ; U1.4 229.55,85.57 227.7,83.71 227.7,80.66 227.25,80.21 227.25,61.82 226.8,61.37 226.8,42.99 226.35,42.54 226.35,35.64 ; 207.3,34.46 219.71,34.46 220.88,35.64 226.35,35.64 ; 226.35,35.64 226.35,24.13 D48.1
Row4: length 403.6
  Top w0.25: v1(220.07,17.34) 219.26,16.53 208.15,16.53 206.64,18.03 191.45,18.03 191,18.48 191,19.11 191.45,19.56 199.57,19.56 201.58,21.57 212.2,21.57 v1(213.52,20.25)
  Bottom w0.25: 187.33,1.75 206.35,1.75 ; 187.33,1.75 187.33,1.76 D58.1 ; 187.33,1.75 168.28,1.75 ; 206.35,1.75 206.37,1.77 D59.1 ; 206.35,1.75 223.02,1.75 D60.1 226.35,5.08 226.35,15.58 224.59,17.34 v1(220.07,17.34) ; 73.01,1.75 73.03,1.76 D52.1 ; 73.01,1.75 92.07,1.75 ; 73.01,1.75 53.96,1.75 ; 34.92,1.75 34.92,1.75 D50.1 ; 34.92,1.75 18.28,1.75 D49.1 ; 34.92,1.75 53.96,1.75 ; 92.07,1.75 92.07,1.75 D53.1 ; 92.07,1.75 93.64,1.75 D54.1 99.56,0.64 113.17,0.64 D55.1 117.02,0.64 145.71,0.64 D56.1 151.63,1.75 168.28,1.75 ; 168.28,1.75 168.28,1.76 D57.1 ; 53.96,1.75 53.97,1.76 D51.1 ; U1.5 242.43,75.87 242.43,41.55 246.6,37.38 244.36,35.14 244.36,28.64 D61.1 241.11,25.4 234.95,25.4 229.11,19.56 214.21,19.56 v1(213.52,20.25)
Net-(D1-Pad2): length 13.3
  Bottom w0.25: SW1.2 12.54,79.83 D1.2 16.35,83.63 16.35,89.58 SW1.2
Net-(D2-Pad2): length 13.3
  Bottom w0.25: SW2.2 35.4,89.58 35.4,83.63 D2.2 34.71,83.16 SW2.2
Net-(D3-Pad2): length 13.3
  Bottom w0.25: SW3.2 50.64,79.83 D3.2 54.45,83.63 54.45,89.58 SW3.2
Net-(D4-Pad2): length 13.3
  Bottom w0.25: SW4.2 69.69,79.83 D4.2 73.5,83.63 73.5,89.58 SW4.2
Net-(D5-Pad2): length 13.3
  Bottom w0.25: SW5.2 92.55,89.58 92.55,83.63 D5.2 88.74,79.83 SW5.2
Net-(D6-Pad2): length 13.3
  Bottom w0.25: SW6.2 111.6,89.58 111.6,83.63 D6.2 107.79,79.83 SW6.2
Net-(D7-Pad2): length 13.3
  Bottom w0.25: SW7.2 126.84,79.83 D7.2 130.65,83.63 130.65,89.58 SW7.2
Net-(D8-Pad2): length 13.3
  Bottom w0.25: SW8.2 149.7,89.58 149.7,83.63 D8.2 145.89,79.83 SW8.2
Net-(D9-Pad2): length 13.3
  Bottom w0.25: SW9.2 168.75,89.58 168.75,83.63 D9.2 164.94,79.83 SW9.2
Net-(D10-Pad2): length 13.3
  Bottom w0.25: SW10.2 183.99,79.83 D10.2 187.8,83.63 187.8,89.58 SW10.2
Net-(D11-Pad2): length 13.3
  Bottom w0.25: SW11.2 206.16,83.16 D11.2 206.85,83.63 206.85,89.58 SW11.2
Net-(D12-Pad2): length 13.3
  Bottom w0.25: SW12.2 225.21,83.16 D12.2 225.9,83.63 225.9,89.58 SW12.2
Net-(D13-Pad2): length 13.3
  Bottom w0.25: SW13.2 12.54,60.78 D13.2 16.35,64.58 16.35,70.53 SW13.2
Net-(D14-Pad2): length 13.3
  Bottom w0.25: SW14.2 35.4,70.53 35.4,64.58 D14.2 31.59,60.78 SW14.2
Net-(D15-Pad2): length 13.3
  Bottom w0.25: SW15.2 53.76,64.11 D15.2 54.45,64.58 54.45,70.53 SW15.2
Net-(D16-Pad2): length 13.3
  Bottom w0.25: SW16.2 69.69,60.78 D16.2 73.5,64.58 73.5,70.53 SW16.2
Net-(D17-Pad2): length 13.3
  Bottom w0.25: SW17.2 88.74,60.78 D17.2 92.55,64.58 92.55,70.53 SW17.2
Net-(D18-Pad2): length 13.3
  Bottom w0.25: SW18.2 111.6,70.53 111.6,64.58 D18.2 110.91,64.11 SW18.2
Net-(D19-Pad2): length 13.3
  Bottom w0.25: SW19.2 126.84,60.78 D19.2 130.65,64.58 130.65,70.53 SW19.2
Net-(D20-Pad2): length 13.3
  Bottom w0.25: SW20.2 149.7,70.53 149.7,64.58 D20.2 145.89,60.78 SW20.2
Net-(D21-Pad2): length 13.3
  Bottom w0.25: SW21.2 164.94,60.78 D21.2 168.75,64.58 168.75,70.53 SW21.2
Net-(D22-Pad2): length 13.3
  Bottom w0.25: SW22.2 187.8,70.53 187.8,64.58 D22.2 187.11,64.11 SW22.2
Net-(D23-Pad2): length 13.3
  Bottom w0.25: SW23.2 203.04,60.78 D23.2 206.85,64.58 206.85,70.53 SW23.2
Net-(D24-Pad2): length 13.3
  Bottom w0.25: SW24.2 225.9,70.53 225.9,64.58 D24.2 222.09,60.78 SW24.2
Net-(D25-Pad2): length 13.3
  Bottom w0.25: SW25.2 12.54,41.72 D25.2 16.35,45.53 16.35,51.48 SW25.2
Net-(D26-Pad2): length 13.3
  Bottom w0.25: SW26.2 31.59,41.72 D26.2 35.4,45.53 35.4,51.48 SW26.2
Net-(D27-Pad2): length 13.3
  Bottom w0.25: SW27.2 50.64,41.72 D27.2 54.45,45.53 54.45,51.48 SW27.2
Net-(D28-Pad2): length 13.3
  Bottom w0.25: SW28.2 69.69,41.72 D28.2 73.5,45.53 73.5,51.48 SW28.2
Net-(D29-Pad2): length 13.3
  Bottom w0.25: SW29.2 92.55,51.48 92.55,45.53 D29.2 88.74,41.72 SW29.2
Net-(D30-Pad2): length 13.3
  Bottom w0.25: SW30.2 111.6,51.48 111.6,45.53 D30.2 107.79,41.72 SW30.2
Net-(D31-Pad2): length 13.3
  Bottom w0.25: SW31.2 126.84,41.72 D31.2 130.65,45.53 130.65,51.48 SW31.2
Net-(D32-Pad2): length 13.3
  Bottom w0.25: SW32.2 145.89,41.72 D32.2 149.7,45.53 149.7,51.48 SW32.2
Net-(D33-Pad2): length 13.3
  Bottom w0.25: SW33.2 164.94,41.72 D33.2 168.75,45.53 168.75,51.48 SW33.2
Net-(D34-Pad2): length 13.3
  Bottom w0.25: SW34.2 187.8,51.48 187.8,45.53 D34.2 183.99,41.72 SW34.2
Net-(D35-Pad2): length 13.3
  Bottom w0.25: SW35.2 203.04,41.72 D35.2 206.85,45.53 206.85,51.48 SW35.2
Net-(D36-Pad2): length 13.3
  Bottom w0.25: SW36.2 222.09,41.72 D36.2 225.9,45.53 225.9,51.48 SW36.2
Net-(D37-Pad2): length 13.3
  Bottom w0.25: SW37.2 12.54,22.68 D37.2 16.35,26.48 16.35,32.43 SW37.2
Net-(D38-Pad2): length 13.3
  Bottom w0.25: SW38.2 31.59,22.68 D38.2 35.4,26.48 35.4,32.43 SW38.2
Net-(D39-Pad2): length 13.3
  Bottom w0.25: SW39.2 54.45,32.43 54.45,26.48 D39.2 50.64,22.68 SW39.2
Net-(D40-Pad2): length 13.3
  Bottom w0.25: SW40.2 69.69,22.68 D40.2 73.5,26.48 73.5,32.43 SW40.2
Net-(D41-Pad2): length 13.3
  Bottom w0.25: SW41.2 92.55,32.43 92.55,26.48 D41.2 88.74,22.68 SW41.2
Net-(D42-Pad2): length 17.2
  Bottom w0.25: 99.17,22.69 SW42.2 99.17,25.05 97.79,26.43 96.47,26.43 D42.2 96.04,28.54 SW42.2
Net-(D43-Pad2): length 16.1
  Bottom w0.25: SWA43.2 120.96,34.47 SWB43.2 117,30.51 117,26.33 D43.2 117.3,24.42 SWA43.2
Net-(D44-Pad2): length 13.3
  Bottom w0.25: SW44.2 145.89,22.68 D44.2 149.7,26.48 149.7,32.43 SW44.2
Net-(D45-Pad2): length 13.3
  Bottom w0.25: SW45.2 168.75,32.43 168.75,26.48 D45.2 164.94,22.68 SW45.2
Net-(D46-Pad2): length 13.3
  Bottom w0.25: SW46.2 187.8,32.43 187.8,26.48 D46.2 183.99,22.68 SW46.2
Net-(D47-Pad2): length 13.3
  Bottom w0.25: SW47.2 203.04,22.68 D47.2 206.85,26.48 206.85,32.43 SW47.2
Net-(D48-Pad2): length 13.3
  Bottom w0.25: SW48.2 225.9,32.43 225.9,26.48 D48.2 222.09,22.68 SW48.2
Net-(D49-Pad2): length 13.3
  Bottom w0.25: SW49.2 16.35,13.38 16.35,7.43 D49.2 12.54,3.62 SW49.2
Net-(D50-Pad2): length 13.3
  Bottom w0.25: SW50.2 35.4,13.38 35.4,7.43 D50.2 31.59,3.62 SW50.2
Net-(D51-Pad2): length 13.3
  Bottom w0.25: SW51.2 54.45,13.38 54.45,7.43 D51.2 50.64,3.62 SW51.2
Net-(D52-Pad2): length 13.3
  Bottom w0.25: SW52.2 73.5,13.38 73.5,7.43 D52.2 69.69,3.62 SW52.2
Net-(D53-Pad2): length 13.3
  Bottom w0.25: SW53.2 91.86,6.96 D53.2 92.55,7.43 92.55,13.38 SW53.2
Net-(D54-Pad2): length 15.1
  Bottom w0.25: SW54.2 98.56,4.44 D54.2 96.04,9.49 SW54.2
Net-(D55-Pad2): length 16.1
  Bottom w0.25: SWA55.2 120.2,14.6 SWB55.2 117,11.46 117,7.28 D55.2 117.3,5.37 SWA55.2
Net-(D56-Pad2): length 13.3
  Bottom w0.25: SW56.2 145.89,3.62 D56.2 149.7,7.43 149.7,13.38 SW56.2
Net-(D57-Pad2): length 13.3
  Bottom w0.25: SW57.2 168.75,13.38 168.75,7.43 D57.2 164.94,3.62 SW57.2
Net-(D58-Pad2): length 13.3
  Bottom w0.25: SW58.2 183.99,3.62 D58.2 187.8,7.43 187.8,13.38 SW58.2
Net-(D59-Pad2): length 13.3
  Bottom w0.25: SW59.2 203.04,3.62 D59.2 206.85,7.43 206.85,13.38 SW59.2
Net-(D60-Pad2): length 13.3
  Bottom w0.25: SW60.2 225.9,13.38 225.9,7.43 D60.2 222.09,3.62 SW60.2
Net-(D61-Pad2): length 37.8
  Top w0.25: SWB61.S2 232.51,8.35 232.51,13.22 237.77,18.48 237.77,19.49 SWA61.S2
  Bottom w0.25: SWA61.S2 238.99,26.07 D61.2

## Copper pours and planes (outline as drawn; the poured copper is in the pictures)
(no net) on Top: 263.67,-4.76 -4.62,-3.17 -4.62,98.43 263.67,98.43
(no net) on Bottom: 263.67,-4.76 -4.62,-3.17 -4.62,98.43 263.67,98.43

## Text on the board
F.Silkscreen: Rulla kebab ja ES drinksu. / Jumalten ateria
